# Altium PCB KlusterLab r2.0.PcbDoc (part 21 of 22) (continued)
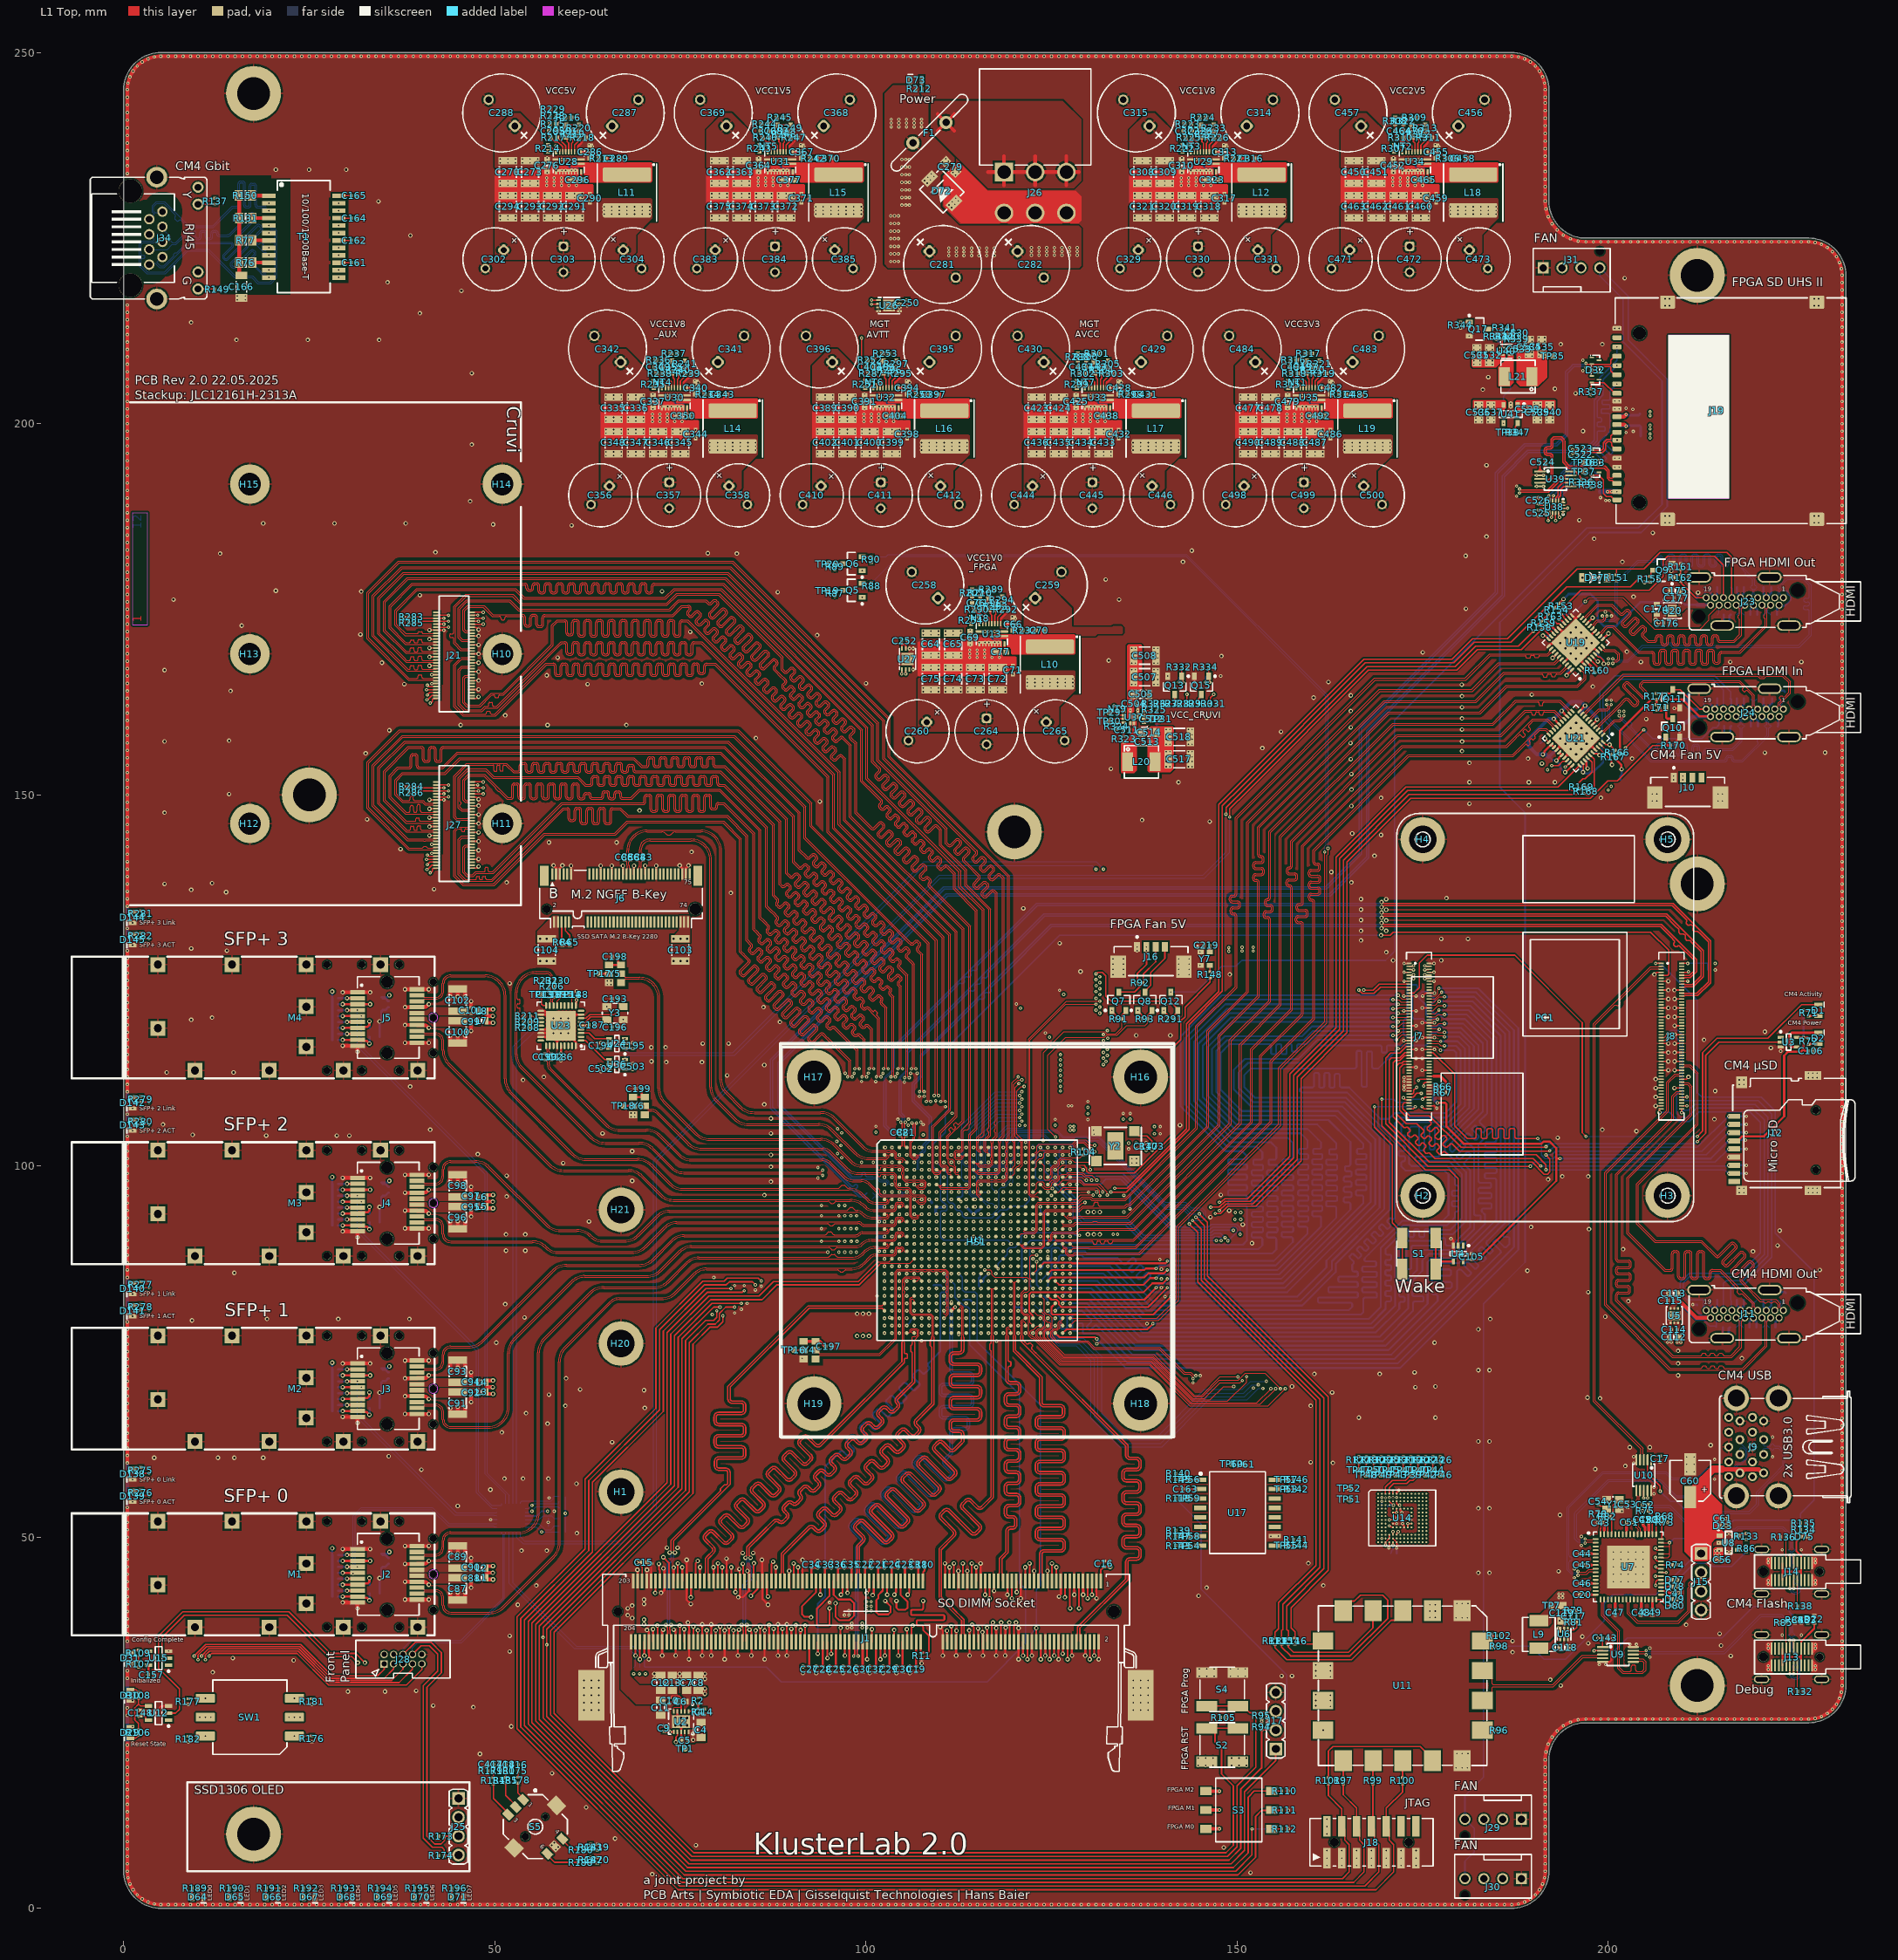
[diagram p0: L1 Top view]
## Keep-outs (continued)
  region: 115.9,43.1 115.9,45.1 116.2,45.1 116.2,43.1
  region: 114.7,43.1 114.7,45.1 115,45.1 115,43.1
  region: 114.1,43.1 114.1,45.1 114.4,45.1 114.4,43.1
  region: 112.9,43.1 112.9,45.1 113.2,45.1 113.2,43.1
  region: 111.7,43.1 111.7,45.1 112,45.1 112,43.1
  region: 111.1,43.1 111.1,45.1 111.4,45.1 111.4,43.1
  region: 107.5,43.1 107.5,45.1 107.8,45.1 107.8,43.1
  region: 105.7,43.1 105.7,45.1 106,45.1 106,43.1
  region: 104.5,43.1 104.5,45.1 104.8,45.1 104.8,43.1
  region: 103.9,43.1 103.9,45.1 104.2,45.1 104.2,43.1
  region: 102.7,43.1 102.7,45.1 103,45.1 103,43.1
  region: 102.1,43.1 102.1,45.1 102.4,45.1 102.4,43.1
  region: 100.9,43.1 100.9,45.1 101.2,45.1 101.2,43.1
  region: 100.3,43.1 100.3,45.1 100.6,45.1 100.6,43.1
  region: 99.1,43.1 99.1,45.1 99.4,45.1 99.4,43.1
  region: 98.5,43.1 98.5,45.1 98.8,45.1 98.8,43.1
  region: 97.3,43.1 97.3,45.1 97.6,45.1 97.6,43.1
  region: 96.7,43.1 96.7,45.1 97,45.1 97,43.1
  region: 96.7,43.1 96.7,45.1 97,45.1 97,43.1
  region: 95.5,43.1 95.5,45.1 95.8,45.1 95.8,43.1
  region: 94.925,43.075 94.925,45.075 95.225,45.075 95.225,43.075
  region: 93.7,43.1 93.7,45.1 94,45.1 94,43.1
  region: 93.1,43.1 93.1,45.1 93.4,45.1 93.4,43.1
  region: 90.7,43.1 90.7,45.1 91,45.1 91,43.1
  region: 90.1,43.1 90.1,45.1 90.4,45.1 90.4,43.1
  region: 88.9,43.1 88.9,45.1 89.2,45.1 89.2,43.1
  region: 88.3,43.1 88.3,45.1 88.6,45.1 88.6,43.1
  region: 87.1,43.1 87.1,45.1 87.4,45.1 87.4,43.1
  region: 86.5,43.1 86.5,45.1 86.8,45.1 86.8,43.1
  region: 85.3,43.1 85.3,45.1 85.6,45.1 85.6,43.1
  region: 84.7,43.1 84.7,45.1 85,45.1 85,43.1
  region: 83.5,43.1 83.5,45.1 83.8,45.1 83.8,43.1
  region: 82.3,43.1 82.3,45.1 82.6,45.1 82.6,43.1
  region: 81.7,43.1 81.7,45.1 82,45.1 82,43.1
  region: 80.493,43.107 80.493,45.107 80.793,45.107 80.793,43.107
  region: 79.9,43.1 79.9,45.1 80.2,45.1 80.2,43.1
  region: 78.7,43.1 78.7,45.1 79,45.1 79,43.1
  region: 78.1,43.1 78.1,45.1 78.4,45.1 78.4,43.1
  region: 76.9,43.1 76.9,45.1 77.2,45.1 77.2,43.1
  region: 76.3,43.1 76.3,45.1 76.6,45.1 76.6,43.1
  region: 75.1,43.1 75.1,45.1 75.4,45.1 75.4,43.1
  region: 74.5,43.1 74.5,45.1 74.8,45.1 74.8,43.1
  region: 73.3,43.1 73.3,45.1 73.6,45.1 73.6,43.1
  region: 72.1,43.1 72.1,45.1 72.4,45.1 72.4,43.1
  region: 71.5,43.1 71.5,45.1 71.8,45.1 71.8,43.1
  region: 69.6,138.5 69.6,140.1 69.9,140.1 69.9,138.5
  region: 69.1,138.5 69.1,140.1 69.4,140.1 69.4,138.5
  region: 68.1,138.5 68.1,140.1 68.4,140.1 68.4,138.5
  region: 67.6,138.5 67.6,140.1 67.9,140.1 67.9,138.5
Keep-Out Layer:
  circle w0.01: c41.7,45 r0.61
  circle w0.01: c41.7,70 r0.61
  circle w0.01: c41.7,95 r0.61
  circle w0.01: c41.7,120 r0.61
  lines w0.1: 1.2,172.9 3.2,172.9 3.2,188 1.2,188 1.2,172.9

## Other copper
L1 Top:
  pour cut-out: 66.6,40.8 cw(c66.6,40) 67.4,40 cw(c66.6,40) 66.6,39.2 cw(c66.6,40) 65.8,40 cw(c66.6,40)
  pour cut-out: 101.7,103.5 128.3,103.5 128.5,103.3 128.5,76.7 128.3,76.5 101.7,76.5 101.5,76.7 101.5,103.3
  region net GND: 112.15,235.05 110.45,233.35 110.45,229.35 112.8,227 128.65,227 129,227.35 129,230.6 128.25,231.35 116.4,231.35 112.7,235.05
  pour cut-out: 136.45,156.6 136.451,156.599 137.949,156.599 137.949,153.251 138.15,153.05 139.85,153.05 139.85,152.25 134.35,152.25 134.35,153.05 134.45,152.95 136.1,152.95 136.45,153.3
  region net VCC5V: 135.343,170.25 135.2,170.107 135.2,160.3 135.3,160.2 135.775,160.2 135.775,160.825 136.15,161.2 136.15,162.512 137.2,163.562 137.2,170.1 137.05,170.25
  region net NetL20_1: 136.45,159.9 136.3,160.05 136.3,160.75 135.9,160.75 135.9,158.45 134.95,157.5 134.591,157.5 134.35,157.259 134.35,153.05 134.45,152.95 136.1,152.95 136.45,153.3
  region net VCC_CRUVI_ADJ: 138.35,159.2 141.3,159.2 141.45,159.05 141.45,153.5 141,153.05 138.15,153.05 137.95,153.25 137.95,158.8
  region net VCC3V3_SD: 187.45,203 187.65,203.2 192.825,203.2 192.9,203.125 192.9,202 192.75,201.85 187.7,201.85 187.45,202.1
  region net VCC3V3: 186.25,203 186.05,203.2 181.825,203.2 181.75,203.125 181.75,202 181.9,201.85 186,201.85 186.25,202.1
  region net NetL21_2: 186.45,209.4 186.45,208.9 185.2,207.65 185.2,205.1 185.25,205.05 186.8,205.05 186.9,205.15 187.25,205.5 187.25,209.35 187.2,209.4
  region net VCCADJ_SD: 187.85,210.055 187.65,209.855 187.65,205.5 188.1,205.05 190.55,205.05 191.75,206.25 191.75,209.9 191.6,210.05 190.35,210.05
  region net VCC5V: 182.049,209.399 181.6,208.95 181.6,207.75 181.75,207.6 184.9,207.6 186.15,208.85 186.15,209.338 186.088,209.4
  region net GND: 222.05,35.808 221.408,35.808 221.25,35.65 221.25,34.95 221.85,34.35 222.05,34.35
  region net GND: 222.05,31.908 221.408,31.908 221.25,32.066 221.25,32.766 221.85,33.366 222.05,33.366
  region net GND: 227.4,35.808 228.042,35.808 228.2,35.65 228.2,34.95 227.6,34.35 227.4,34.35
  region net GND: 227.4,31.908 228.042,31.908 228.2,32.066 228.2,32.766 227.6,33.366 227.4,33.366
  region net GND: 227.4,43.408 228.042,43.408 228.2,43.566 228.2,44.266 227.6,44.866 227.4,44.866
  region net GND: 227.4,47.308 228.042,47.308 228.2,47.15 228.2,46.45 227.6,45.85 227.4,45.85
  region net GND: 222.05,43.408 221.408,43.408 221.25,43.566 221.25,44.266 221.85,44.866 222.05,44.866
  region net GND: 222.05,47.308 221.408,47.308 221.25,47.15 221.25,46.45 221.85,45.85 222.05,45.85
  region net VCC_USB: 215.45,49.8 215.55,49.9 215.55,50.7 215.35,50.9 215.35,54.4 213.7,56.05 213.7,58.2 212.5,58.2 210.25,55.95 210.25,48.05 211.55,46.75 213.4,46.75 213.9,47.25 213.9,49.25 214.45,49.8 215.1,49.8
  region net VCC5V: 214.15,48.4 214.4,48.65 215.4,48.65 215.5,48.55 215.5,47.6 215.25,47.35 215.25,46.65 215.15,46.55 214.45,46.55 214.15,46.85
  pour cut-out: 120.25,168.9 120.25,166.75 128.05,166.75 128.2,166.6 128.2,164.05 127.65,163.5 128.95,163.5 129,163.55 129,171.55 128.95,171.6 128.308,171.601 128.2,171.5 128.2,169.05 128.05,168.9 120.4,168.9
  region net NetC70_2: 124.45,171.6 124.35,171.7 124.35,172.4 124.3,172.45 123.6,172.45 123.55,172.4 123.55,171.7 123.45,171.6 117.25,171.6 117.2,171.55 117.2,171 117.25,170.95 118.85,170.95 118.95,170.85 118.95,170 119.05,169.9 119.3,169.9 119.55,169.65 119.55,169.05 119.7,168.9 128.05,168.9 128.2,169.05 128.2,171.5 128.1,171.6
  region net GND: 118.3,170.7 118.15,170.85 117,170.85 116.65,171.2 113.7,171.2 113.15,170.65 107.1,170.65 107,170.55 107,166.1 107.1,166 118.6,166 119.5,166.9 120.15,166.9 120.25,167 120.25,168.55 120.15,168.65 118.5,168.65 118.3,168.85
  region net NetC316_2: 152.95,235.2 152.85,235.3 152.85,236 152.8,236.05 152.1,236.05 152.05,236 152.05,235.3 151.95,235.2 145.75,235.2 145.7,235.15 145.7,234.6 145.75,234.55 147.35,234.55 147.45,234.45 147.45,233.6 147.55,233.5 147.8,233.5 148.05,233.25 148.05,232.65 148.2,232.5 156.55,232.5 156.7,232.65 156.7,235.1 156.6,235.2
  pour cut-out: 148.75,232.5 148.75,230.35 156.55,230.35 156.7,230.2 156.7,227.65 156.15,227.1 157.45,227.1 157.5,227.15 157.5,235.15 157.45,235.2 156.808,235.201 156.7,235.1 156.7,232.65 156.55,232.5 148.9,232.5
  region net GND: 146.8,234.3 146.65,234.45 145.5,234.45 145.15,234.8 142.2,234.8 141.65,234.25 135.6,234.25 135.5,234.15 135.5,229.7 135.6,229.6 147.1,229.6 148,230.5 148.65,230.5 148.75,230.6 148.75,232.15 148.65,232.25 147,232.25 146.8,232.45
  region net NetC397_2: 110.2,203.4 110.1,203.5 110.1,204.2 110.05,204.25 109.35,204.25 109.3,204.2 109.3,203.5 109.2,203.4 103,203.4 102.95,203.35 102.95,202.8 103,202.75 104.6,202.75 104.7,202.65 104.7,201.8 104.8,201.7 105.05,201.7 105.3,201.45 105.3,200.85 105.45,200.7 113.8,200.7 113.95,200.85 113.95,203.3 113.85,203.4
  pour cut-out: 106,200.7 106,198.55 113.8,198.55 113.95,198.4 113.95,195.85 113.4,195.3 114.7,195.3 114.75,195.35 114.75,203.35 114.7,203.4 114.058,203.401 113.95,203.3 113.95,200.85 113.8,200.7 106.15,200.7
  region net GND: 104.05,202.5 103.9,202.65 102.75,202.65 102.4,203 99.45,203 98.9,202.45 92.85,202.45 92.75,202.35 92.75,197.9 92.85,197.8 104.35,197.8 105.25,198.7 105.9,198.7 106,198.8 106,200.35 105.9,200.45 104.25,200.45 104.05,200.65
  region net NetC370_2: 95.95,235.2 95.85,235.3 95.85,236 95.8,236.05 95.1,236.05 95.05,236 95.05,235.3 94.95,235.2 88.75,235.2 88.7,235.15 88.7,234.6 88.75,234.55 90.35,234.55 90.45,234.45 90.45,233.6 90.55,233.5 90.8,233.5 91.05,233.25 91.05,232.65 91.2,232.5 99.55,232.5 99.7,232.65 99.7,235.1 99.6,235.2
  pour cut-out: 91.75,232.5 91.75,230.35 99.55,230.35 99.7,230.2 99.7,227.65 99.15,227.1 100.45,227.1 100.5,227.15 100.5,235.15 100.45,235.2 99.808,235.201 99.7,235.1 99.7,232.65 99.55,232.5 91.9,232.5
  region net GND: 89.8,234.3 89.65,234.45 88.5,234.45 88.15,234.8 85.2,234.8 84.65,234.25 78.6,234.25 78.5,234.15 78.5,229.7 78.6,229.6 90.1,229.6 91,230.5 91.65,230.5 91.75,230.6 91.75,232.15 91.65,232.25 90,232.25 89.8,232.45
  region net NetC343_2: 81.7,203.4 81.6,203.5 81.6,204.2 81.55,204.25 80.85,204.25 80.8,204.2 80.8,203.5 80.7,203.4 74.5,203.4 74.45,203.35 74.45,202.8 74.5,202.75 76.1,202.75 76.2,202.65 76.2,201.8 76.3,201.7 76.55,201.7 76.8,201.45 76.8,200.85 76.95,200.7 85.3,200.7 85.45,200.85 85.45,203.3 85.35,203.4
  pour cut-out: 77.5,200.7 77.5,198.55 85.3,198.55 85.45,198.4 85.45,195.85 84.9,195.3 86.2,195.3 86.25,195.35 86.25,203.35 86.2,203.4 85.558,203.401 85.45,203.3 85.45,200.85 85.3,200.7 77.65,200.7
  region net GND: 75.55,202.5 75.4,202.65 74.25,202.65 73.9,203 70.95,203 70.4,202.45 64.35,202.45 64.25,202.35 64.25,197.9 64.35,197.8 75.85,197.8 76.75,198.7 77.4,198.7 77.5,198.8 77.5,200.35 77.4,200.45 75.75,200.45 75.55,200.65
  region net NetC289_2: 67.45,235.2 67.35,235.3 67.35,236 67.3,236.05 66.6,236.05 66.55,236 66.55,235.3 66.45,235.2 60.25,235.2 60.2,235.15 60.2,234.6 60.25,234.55 61.85,234.55 61.95,234.45 61.95,233.6 62.05,233.5 62.3,233.5 62.55,233.25 62.55,232.65 62.7,232.5 71.05,232.5 71.2,232.65 71.2,235.1 71.1,235.2
  pour cut-out: 63.25,232.5 63.25,230.35 71.05,230.35 71.2,230.2 71.2,227.65 70.65,227.1 71.95,227.1 72,227.15 72,235.15 71.95,235.2 71.308,235.201 71.2,235.1 71.2,232.65 71.05,232.5 63.4,232.5
  region net GND: 61.3,234.3 61.15,234.45 60,234.45 59.65,234.8 56.7,234.8 56.15,234.25 50.1,234.25 50,234.15 50,229.7 50.1,229.6 61.6,229.6 62.5,230.5 63.15,230.5 63.25,230.6 63.25,232.15 63.15,232.25 61.5,232.25 61.3,232.45
  region net NetC431_2: 138.7,203.4 138.6,203.5 138.6,204.2 138.55,204.25 137.85,204.25 137.8,204.2 137.8,203.5 137.7,203.4 131.5,203.4 131.45,203.35 131.45,202.8 131.5,202.75 133.1,202.75 133.2,202.65 133.2,201.8 133.3,201.7 133.55,201.7 133.8,201.45 133.8,200.85 133.95,200.7 142.3,200.7 142.45,200.85 142.45,203.3 142.35,203.4
  pour cut-out: 134.5,200.7 134.5,198.55 142.3,198.55 142.45,198.4 142.45,195.85 141.9,195.3 143.2,195.3 143.25,195.35 143.25,203.35 143.2,203.4 142.558,203.401 142.45,203.3 142.45,200.85 142.3,200.7 134.65,200.7
  region net GND: 132.55,202.5 132.4,202.65 131.25,202.65 130.9,203 127.95,203 127.4,202.45 121.35,202.45 121.25,202.35 121.25,197.9 121.35,197.8 132.85,197.8 133.75,198.7 134.4,198.7 134.5,198.8 134.5,200.35 134.4,200.45 132.75,200.45 132.55,200.65
  region net NetC458_2: 181.45,235.2 181.35,235.3 181.35,236 181.3,236.05 180.6,236.05 180.55,236 180.55,235.3 180.45,235.2 174.25,235.2 174.2,235.15 174.2,234.6 174.25,234.55 175.85,234.55 175.95,234.45 175.95,233.6 176.05,233.5 176.3,233.5 176.55,233.25 176.55,232.65 176.7,232.5 185.05,232.5 185.2,232.65 185.2,235.1 185.1,235.2
  pour cut-out: 177.25,232.5 177.25,230.35 185.05,230.35 185.2,230.2 185.2,227.65 184.65,227.1 185.95,227.1 186,227.15 186,235.15 185.95,235.2 185.308,235.201 185.2,235.1 185.2,232.65 185.05,232.5 177.4,232.5
  region net GND: 175.3,234.3 175.15,234.45 174,234.45 173.65,234.8 170.7,234.8 170.15,234.25 164.1,234.25 164,234.15 164,229.7 164.1,229.6 175.6,229.6 176.5,230.5 177.15,230.5 177.25,230.6 177.25,232.15 177.15,232.25 175.5,232.25 175.3,232.45
  region net NetC485_2: 167.2,203.4 167.1,203.5 167.1,204.2 167.05,204.25 166.35,204.25 166.3,204.2 166.3,203.5 166.2,203.4 160,203.4 159.95,203.35 159.95,202.8 160,202.75 161.6,202.75 161.7,202.65 161.7,201.8 161.8,201.7 162.05,201.7 162.3,201.45 162.3,200.85 162.45,200.7 170.8,200.7 170.95,200.85 170.95,203.3 170.85,203.4
  pour cut-out: 163,200.7 163,198.55 170.8,198.55 170.95,198.4 170.95,195.85 170.4,195.3 171.7,195.3 171.75,195.35 171.75,203.35 171.7,203.4 171.058,203.401 170.95,203.3 170.95,200.85 170.8,200.7 163.15,200.7
  region net GND: 161.05,202.5 160.9,202.65 159.75,202.65 159.4,203 156.45,203 155.9,202.45 149.85,202.45 149.75,202.35 149.75,197.9 149.85,197.8 161.35,197.8 162.25,198.7 162.9,198.7 163,198.8 163,200.35 162.9,200.45 161.25,200.45 161.05,200.65
  text "1" at 2.8,173.2 h2 r90
L2 Inner1 (GND):
  pour cut-out: 105.18,104.615 105.62,104.615 ccw(c105.62,104.72) 105.725,104.72 105.725,105.095 ccw(c105.63,105.095) 105.63,105.19 105.17,105.19 ccw(c105.17,105.095) 105.075,105.095 105.075,104.72 ccw(c105.18,104.72)
  pour cut-out: 105.18,103.825 105.62,103.825 ccw(c105.62,103.93) 105.725,103.93 105.725,104.305 ccw(c105.63,104.305) 105.63,104.4 105.17,104.4 ccw(c105.17,104.305) 105.075,104.305 105.075,103.93 ccw(c105.18,103.93)
  pour cut-out: 104.38,103.83 104.82,103.83 ccw(c104.82,103.935) 104.925,103.935 104.925,104.31 ccw(c104.83,104.31) 104.83,104.405 104.37,104.405 ccw(c104.37,104.31) 104.275,104.31 104.275,103.935 ccw(c104.38,103.935)
  pour cut-out: 104.38,104.62 104.82,104.62 ccw(c104.82,104.725) 104.925,104.725 104.925,105.1 ccw(c104.83,105.1) 104.83,105.195 104.37,105.195 ccw(c104.37,105.1) 104.275,105.1 104.275,104.725 ccw(c104.38,104.725)
  pour cut-out: 156.253,57.747 cw(c156.651,57.747) 156.651,58.146 156.654,58.146 cw(c156.654,57.747) 157.053,57.747 cw(c156.653,57.747) 156.653,57.348 cw(c156.653,57.747)
  pour cut-out: 156.25,56.475 cw(c156.649,56.475) 156.649,56.874 156.651,56.874 cw(c156.651,56.475) 157.05,56.475 cw(c156.65,56.475) 156.65,56.075 cw(c156.65,56.475)
  pour cut-out: 156.253,48.858 cw(c156.651,48.858) 156.651,49.256 156.654,49.256 cw(c156.654,48.858) 157.053,48.858 cw(c156.653,48.858) 156.653,48.458 cw(c156.653,48.858)
  pour cut-out: 143.047,48.853 cw(c143.446,48.853) 143.446,49.251 143.449,49.251 cw(c143.449,48.853) 143.847,48.853 cw(c143.447,48.853) 143.447,48.453 cw(c143.447,48.853)
  pour cut-out: 143.047,50.122 cw(c143.446,50.122) 143.446,50.521 143.449,50.521 cw(c143.449,50.122) 143.847,50.122 cw(c143.447,50.122) 143.447,49.722 cw(c143.447,50.122)
  pour cut-out: 143.047,55.203 cw(c143.446,55.203) 143.446,55.601 143.449,55.601 cw(c143.449,55.203) 143.847,55.203 cw(c143.447,55.203) 143.447,54.803 cw(c143.447,55.203)
  pour cut-out: 143.047,57.742 cw(c143.446,57.742) 143.446,58.141 143.449,58.141 cw(c143.449,57.742) 143.847,57.742 cw(c143.447,57.742) 143.447,57.342 cw(c143.447,57.742)
  pour cut-out: 177,58.4 cw(c177.399,58.4) 177.399,58.799 177.401,58.799 cw(c177.401,58.4) 177.8,58.4 cw(c177.4,58.4) 177.4,58 cw(c177.4,58.4)
  pour cut-out: 176,59.05 cw(c176.399,59.05) 176.399,59.449 176.401,59.449 cw(c176.401,59.05) 176.8,59.05 cw(c176.4,59.05) 176.4,58.65 cw(c176.4,59.05)
  pour cut-out: 175,58.4 cw(c175.399,58.4) 175.399,58.799 175.401,58.799 cw(c175.401,58.4) 175.8,58.4 cw(c175.4,58.4) 175.4,58 cw(c175.4,58.4)
  pour cut-out: 174,59.05 cw(c174.399,59.05) 174.399,59.449 174.401,59.449 cw(c174.401,59.05) 174.8,59.05 cw(c174.4,59.05) 174.4,58.65 cw(c174.4,59.05)
  pour cut-out: 173,58.4 cw(c173.399,58.4) 173.399,58.799 173.401,58.799 cw(c173.401,58.4) 173.8,58.4 cw(c173.4,58.4) 173.4,58 cw(c173.4,58.4)
  pour cut-out: 172,59.05 cw(c172.399,59.05) 172.399,59.449 172.401,59.449 cw(c172.401,59.05) 172.8,59.05 cw(c172.4,59.05) 172.4,58.65 cw(c172.4,59.05)
  pour cut-out: 171,58.4 cw(c171.399,58.4) 171.399,58.799 171.401,58.799 cw(c171.401,58.4) 171.8,58.4 cw(c171.4,58.4) 171.4,58 cw(c171.4,58.4)
  pour cut-out: 170,59.05 cw(c170.399,59.05) 170.399,59.449 170.401,59.449 cw(c170.401,59.05) 170.8,59.05 cw(c170.4,59.05) 170.4,58.65 cw(c170.4,59.05)
  pour cut-out: 169,58.4 cw(c169.399,58.4) 169.399,58.799 169.401,58.799 cw(c169.401,58.4) 169.8,58.4 cw(c169.4,58.4) 169.4,58 cw(c169.4,58.4)
  pour cut-out: 168,59.05 cw(c168.399,59.05) 168.399,59.449 168.401,59.449 cw(c168.401,59.05) 168.8,59.05 cw(c168.4,59.05) 168.4,58.65 cw(c168.4,59.05)
  pour cut-out: 167,58.4 cw(c167.399,58.4) 167.399,58.799 167.401,58.799 cw(c167.401,58.4) 167.8,58.4 cw(c167.4,58.4) 167.4,58 cw(c167.4,58.4)
  pour cut-out: 166,59.05 cw(c166.399,59.05) 166.399,59.449 166.401,59.449 cw(c166.401,59.05) 166.8,59.05 cw(c166.4,59.05) 166.4,58.65 cw(c166.4,59.05)
  text "2" at 2.8,173.975 h2 r90
L3 Inner2 (Sig):
  region net VCC3V3_SD: 189.65,202.95 189.75,203.05 192.7,203.05 192.875,202.875 192.875,202.175 192.65,201.95 189.75,201.95 189.65,202.05
  region net VCC3V3_SD: 204.65,198.844 205.806,198.844 205.95,198.7 205.95,197.95 205.8,197.8 205.05,197.8 204.65,198.2
  region net VCCADJ_SD: 187.65,209.85 187.855,210.055 191.595,210.055 191.95,209.7 191.825,209.575 191.825,208.925 191.549,208.65 189.35,208.65 189.15,208.45 188.75,208.45 188.6,208.6 187.85,208.6 187.65,208.8
  text "3" at 2.776,174.975 h2 r90
L4 Inner3 (GND):
  text "4" at 2.8,175.975 h2 r90
L5 Inner4 (PWR):
  text "5" at 2.776,176.975 h2 r90
L6 Inner5 (PWR):
  pour cut-out: 86.5,166.5 85.3,166.5 85.3,167.801 86.5,166.601
  text "6" at 2.776,177.975 h2 r90
L7 Inner6 (PWR):
  text "7" at 2.8,178.975 h2 r90
L8 Inner7 (PWR):
  text "8" at 2.776,179.975 h2 r90
L9 Inner8 (GND):
  text "9" at 2.776,180.975 h2 r90
L10 Inner9 (Sig):
  text "10" at 2.776,181.975 h2 r90
L11 Inner10 (GND):
  pour cut-out: 100.385,95.38 100.385,95.82 ccw(c100.28,95.82) 100.28,95.925 99.905,95.925 ccw(c99.905,95.83) 99.81,95.83 99.81,95.37 ccw(c99.905,95.37) 99.905,95.275 100.28,95.275 ccw(c100.28,95.38)
  pour cut-out: 101.175,95.38 101.175,95.82 ccw(c101.07,95.82) 101.07,95.925 100.695,95.925 ccw(c100.695,95.83) 100.6,95.83 100.6,95.37 ccw(c100.695,95.37) 100.695,95.275 101.07,95.275 ccw(c101.07,95.38)
  pour cut-out: 100.385,96.18 100.385,96.62 ccw(c100.28,96.62) 100.28,96.725 99.905,96.725 ccw(c99.905,96.63) 99.81,96.63 99.81,96.17 ccw(c99.905,96.17) 99.905,96.075 100.28,96.075 ccw(c100.28,96.18)
  pour cut-out: 101.175,96.18 101.175,96.62 ccw(c101.07,96.62) 101.07,96.725 100.695,96.725 ccw(c100.695,96.63) 100.6,96.63 100.6,96.17 ccw(c100.695,96.17) 100.695,96.075 101.07,96.075 ccw(c101.07,96.18)
  text "11" at 2.8,184 h2 r90
L12 Bottom:
  pour cut-out: 66.6,40.8 cw(c66.6,40) 67.4,40 cw(c66.6,40) 66.6,39.2 cw(c66.6,40) 65.8,40 cw(c66.6,40)
  region net GND: 118.3,171.1 118.2,171.2 113.7,171.2 113.15,170.65 107.1,170.65 107,170.55 107,166.1 107.1,166 118.6,166 119.5,166.9 120.15,166.9 120.25,167 120.25,168.55 120.15,168.65 118.5,168.65 118.3,168.85
  region net GND: 146.8,234.7 146.7,234.8 142.2,234.8 141.65,234.25 135.6,234.25 135.5,234.15 135.5,229.7 135.6,229.6 147.1,229.6 148,230.5 148.65,230.5 148.75,230.6 148.75,232.15 148.65,232.25 147,232.25 146.8,232.45
  region net GND: 104.05,202.9 103.95,203 99.45,203 98.9,202.45 92.85,202.45 92.75,202.35 92.75,197.9 92.85,197.8 104.35,197.8 105.25,198.7 105.9,198.7 106,198.8 106,200.35 105.9,200.45 104.25,200.45 104.05,200.65
  region net GND: 89.8,234.7 89.7,234.8 85.2,234.8 84.65,234.25 78.6,234.25 78.5,234.15 78.5,229.7 78.6,229.6 90.1,229.6 91,230.5 91.65,230.5 91.75,230.6 91.75,232.15 91.65,232.25 90,232.25 89.8,232.45
  region net GND: 75.55,202.9 75.45,203 70.95,203 70.4,202.45 64.35,202.45 64.25,202.35 64.25,197.9 64.35,197.8 75.85,197.8 76.75,198.7 77.4,198.7 77.5,198.8 77.5,200.35 77.4,200.45 75.75,200.45 75.55,200.65
  region net GND: 61.3,234.7 61.2,234.8 56.7,234.8 56.15,234.25 50.1,234.25 50,234.15 50,229.7 50.1,229.6 61.6,229.6 62.5,230.5 63.15,230.5 63.25,230.6 63.25,232.15 63.15,232.25 61.5,232.25 61.3,232.45
  region net GND: 132.55,202.9 132.45,203 127.95,203 127.4,202.45 121.35,202.45 121.25,202.35 121.25,197.9 121.35,197.8 132.85,197.8 133.75,198.7 134.4,198.7 134.5,198.8 134.5,200.35 134.4,200.45 132.75,200.45 132.55,200.65
  region net GND: 175.3,234.7 175.2,234.8 170.7,234.8 170.15,234.25 164.1,234.25 164,234.15 164,229.7 164.1,229.6 175.6,229.6 176.5,230.5 177.15,230.5 177.25,230.6 177.25,232.15 177.15,232.25 175.5,232.25 175.3,232.45
  region net GND: 161.05,202.9 160.95,203 156.45,203 155.9,202.45 149.85,202.45 149.75,202.35 149.75,197.9 149.85,197.8 161.35,197.8 162.25,198.7 162.9,198.7 163,198.8 163,200.35 162.9,200.45 161.25,200.45 161.05,200.65
  text "12" at 2.8,185.8 h2 r90

## Silkscreen, mask and mechanical layers (free items; w line width, h text height)
Top Overlay:
  lines w0.3: 0.9,135.14 53.5,135.14 ; 0.9,202.86 53.5,202.86 53.5,194.96 ; 53.5,172.1 53.5,188.76 ; 53.5,135.14 53.5,143.04 53.5,135.14 ; 8.595,5 8.595,17 46.595,17 46.595,5 8.595,5 ; 53.5,149.24 53.5,165.9 53.5,149.24
  lines w0.4: 88.5,63.5 141.5,63.5 141.5,116.5 88.5,116.5 88.5,63.5
  text "VCC5V" at 56.85,244.118 h1.5
  text "VCC1V5" at 85.1,244.118 h1.5
  text "VCC1V8" at 142.3,244.118 h1.5
  text "VCC2V5" at 170.6,244.118 h1.5
  text "Power" at 104.5,242.769 h2
  text "CM4 Gbit" at 6.975,233.695 h2
  text "FAN" at 190,224.044 h2
  text "FPGA SD UHS II" at 216.68,218.091 h2
  text "VCC1V8" at 70.9,212.718 h1.5
  text "MGT" at 100.5,212.718 h1.5
  text "MGT" at 128.8,212.718 h1.5
  text "VCC3V3" at 156.4,212.718 h1.5
  text "_AUX" at 71.5,211.365 h1.5
  text "AVCC" at 128.2,211.317 h1.5
  text "AVTT" at 100.1,211.3 h1.5
  text "PCB Rev 2.0 22.05.2025 / Stackup: JLC12161H-2313A" at 1.5,202.9 h2
  text "Cruvi" at 51.043,202.375 h3 r270
  text "VCC1V0" at 113.6,181.218 h1.5
  text "FPGA HDMI Out" at 215.6,180.295 h2
  text "_FPGA" at 113.9,179.965 h1.5
  text "FPGA HDMI In" at 215.3,165.695 h2
  text "VCC_CRUVI" at 141.072,160.067 h1.5
  text "CM4 Fan 5V" at 205.666,154.395 h2
  text "SFP+ 3 Link" at 2.1,132.248 h1
  text "FPGA Fan 5V" at 132.893,131.595 h2
  text "SSD SATA M.2 B-Key 2280" at 61.1,130.348 h1
  text "SFP+ 3 ACT" at 2.1,129.248 h1
  text "SFP+ 3" at 13.49,129.143 h3
  text "CM4 Activity" at 223.7,122.648 h1
  text "CM4 Power" at 224.2,118.748 h1
  text "CM4 µSD" at 215.6,112.595 h2
  text "SFP+ 2 Link" at 2.1,107.248 h1
  text "SFP+ 2 ACT" at 2.1,104.248 h1
  text "SFP+ 2" at 13.5,104.143 h3
  text "CM4 HDMI Out" at 216.6,84.495 h2
  text "Wake" at 171.251,82.355 h3
  text "SFP+ 1 Link" at 2.1,82.248 h1
  text "SFP+ 1 ACT" at 2.1,79.248 h1
  text "SFP+ 1" at 13.651,79.143 h3
  text "CM4 USB" at 214.8,70.795 h2
  text "SFP+ 0 Link" at 2.1,57.248 h1
  text "SFP+ 0 ACT" at 2.1,54.248 h1
  text "SFP+ 0" at 13.498,54.143 h3
  text "CM4 Flash" at 216,40.045 h2
  text "Config Complete" at 1.08,35.642 h1
  text "Front / Panel" at 30.83,30.35 h2 r90
  text "Initialized" at 1,30.16 h1
  text "Debug" at 217.1,28.519 h2
  text "FPGA Prog" at 143.678,26.2 h1.5 r90
  text "Reset State" at 1,21.648 h1
  text "FPGA RST" at 143.678,18.6 h1.5 r90
  text "FAN" at 179.26,15.519 h2
  text "FPGA M2" at 140.6,15.448 h1
  text "SSD1306 OLED" at 9.5,14.995 h2
  text "JTAG" at 172.6,13.325 h1.8
  text "FPGA M1" at 140.701,13.008 h1
  text "FPGA M0" at 140.599,10.468 h1
  text "FAN" at 179.235,7.494 h2
  text "KlusterLab 2.0" at 84.851,6.215 h5
  text "LED0" at 12.143,1 h1 r90
  text "LED1" at 17.143,1 h1 r90
  text "LED2" at 22.143,1 h1 r90
  text "LED3" at 27.143,1 h1 r90
  text "LED4" at 32.143,1 h1 r90
  text "LED5" at 37.14,1 h1 r90
  text "LED6" at 42.143,1 h1 r90
  text "LED7" at 47.14,1 h1 r90
  text "a joint project by  / PCB Arts | Symbiotic EDA | Gisselquist Technologies | Hans Baier" at 70,0.795 h2
Top Solder:
  drawing of 334 lines, arcs and shapes, not listed
Bottom Solder:
  lines w0.45: 0.5,215.974 0.5,5 ccw(c5,5) 5,0.5 187,0.5 ccw(c187,5) 191.5,5 ; 0.5,233.974 0.5,245 ; 0.5,244.98 cw(c5,244.98) 5,249.48 187,249.48 cw(c187,244.98) 191.5,244.98 ; 191.5,20 cw(c197,20) 197,25.5 227,25.5 ccw(c227,30) 231.5,30 231.5,220 ccw(c227,220) 227,224.5 197,224.5 cw(c197,230) 191.5,230 191.5,245 ; 191.5,5 191.5,20
Outline:
  the board outline again, w0.05
Top Courtyard:
  lines w0.05: 28.323,41.823 28.677,42.177 ; 28.323,42.177 28.677,41.823 ; 28.323,42.623 28.677,42.977 ; 28.323,42.977 28.677,42.623 ; 28.323,43.423 28.677,43.777 ; 28.323,43.777 28.677,43.423 ; 28.323,44.223 28.677,44.577 ; 28.323,44.577 28.677,44.223 ; 28.323,45.023 28.677,45.377 ; 28.323,45.377 28.677,45.023 ; 28.323,45.823 28.677,46.177 ; 28.323,46.177 28.677,45.823 ; 28.323,46.623 28.677,46.977 ; 28.323,46.977 28.677,46.623 ; 28.323,47.423 28.677,47.777 ; 28.323,47.777 28.677,47.423 ; 28.323,66.823 28.677,67.177 ; 28.323,67.177 28.677,66.823 ; 28.323,67.623 28.677,67.977 ; 28.323,67.977 28.677,67.623 ; 28.323,68.423 28.677,68.777 ; 28.323,68.777 28.677,68.423 ; 28.323,69.223 28.677,69.577 ; 28.323,69.577 28.677,69.223 ; 28.323,70.023 28.677,70.377 ; 28.323,70.377 28.677,70.023 ; 28.323,70.823 28.677,71.177 ; 28.323,71.177 28.677,70.823 ; 28.323,71.623 28.677,71.977 ; 28.323,71.977 28.677,71.623 ; 28.323,72.423 28.677,72.777 ; 28.323,72.777 28.677,72.423 ; 28.323,91.823 28.677,92.177 ; 28.323,92.177 28.677,91.823 ; 28.323,92.623 28.677,92.977 ; 28.323,92.977 28.677,92.623 ; 28.323,93.423 28.677,93.777 ; 28.323,93.777 28.677,93.423 ; 28.323,94.223 28.677,94.577 ; 28.323,94.577 28.677,94.223 ; 28.323,95.023 28.677,95.377 ; 28.323,95.377 28.677,95.023 ; 28.323,95.823 28.677,96.177 ; 28.323,96.177 28.677,95.823 ; 28.323,96.623 28.677,96.977 ; 28.323,96.977 28.677,96.623 ; 28.323,97.423 28.677,97.777 ; 28.323,97.777 28.677,97.423 ; 28.323,116.823 28.677,117.177 ; 28.323,117.177 28.677,116.823 ; 28.323,117.623 28.677,117.977 ; 28.323,117.977 28.677,117.623 ; 28.323,118.423 28.677,118.777 ; 28.323,118.777 28.677,118.423 ; 28.323,119.223 28.677,119.577 ; 28.323,119.577 28.677,119.223 ; 28.323,120.023 28.677,120.377 ; 28.323,120.377 28.677,120.023 ; 28.323,120.823 28.677,121.177 ; 28.323,121.177 28.677,120.823 ; 28.323,121.623 28.677,121.977 ; 28.323,121.977 28.677,121.623 ; 28.323,122.423 28.677,122.777 ; 28.323,122.777 28.677,122.423 ; 33.323,46.623 33.677,46.977 ; 33.323,46.977 33.677,46.623 ; 33.323,71.623 33.677,71.977 ; 33.323,71.977 33.677,71.623 ; 33.323,96.623 33.677,96.977 ; 33.323,96.977 33.677,96.623 ; 33.323,121.623 33.677,121.977 ; 33.323,121.977 33.677,121.623 ; 33.623,42.223 33.977,42.577 ; 33.623,42.577 33.977,42.223 ; 33.623,43.423 33.977,43.777 ; 33.623,43.777 33.977,43.423 ; 33.623,67.223 33.977,67.577 ; 33.623,67.577 33.977,67.223 ; 33.623,68.423 33.977,68.777 ; 33.623,68.777 33.977,68.423 ; 33.623,92.223 33.977,92.577 ; 33.623,92.577 33.977,92.223 ; 33.623,93.423 33.977,93.777 ; 33.623,93.777 33.977,93.423 ; 33.623,117.223 33.977,117.577 ; 33.623,117.577 33.977,117.223 ; 33.623,118.423 33.977,118.777 ; 33.623,118.777 33.977,118.423 ; 35.323,39.823 35.677,40.177 ; 35.323,40.177 35.677,39.823 ; 35.323,119.823 35.677,120.177 ; 35.323,120.177 35.677,119.823 ; 35.523,46.623 35.877,46.977 ; 35.523,46.977 35.877,46.623 ; 35.523,71.623 35.877,71.977 ; 35.523,71.977 35.877,71.623 ; 35.523,96.623 35.877,96.977 ; 35.523,96.977 35.877,96.623 ; 35.523,121.623 35.877,121.977 ; 35.523,121.977 35.877,121.623 ; 208.323,79.823 208.677,80.177 ; 208.323,80.177 208.677,79.823 ; 209.723,81.723 210.077,82.077 ; 209.723,82.077 210.077,81.723 ; 211.523,81.723 211.877,82.077 ; 211.523,82.077 211.877,81.723 ; 211.973,78.023 212.327,78.377 ; 211.973,78.377 212.327,78.023 ; 213.323,81.723 213.677,82.077 ; 213.323,82.077 213.677,81.723 ; 213.773,78.023 214.127,78.377 ; 213.773,78.377 214.127,78.023 ; 214.823,79.823 215.177,80.177 ; 214.823,80.177 215.177,79.823 ; 215.123,81.723 215.477,82.077 ; 215.123,82.077 215.477,81.723 ; 215.573,78.023 215.927,78.377 ; 215.573,78.377 215.927,78.023 ; 216.898,81.723 217.252,82.077 ; 216.898,82.077 217.252,81.723 ; 217.373,78.023 217.727,78.377 ; 217.373,78.377 217.727,78.023 ; 218.723,81.723 219.077,82.077 ; 218.723,82.077 219.077,81.723 ; 219.173,78.023 219.527,78.377 ; 219.173,78.377 219.527,78.023 ; 221.123,79.423 221.477,79.777 ; 221.123,79.777 221.477,79.423 ; 35.323,44.823 35.677,45.177 35.323,44.823 ; 35.323,45.177 35.677,44.823 35.323,45.177 ; 35.323,69.823 35.677,70.177 35.323,69.823 ; 35.323,70.177 35.677,69.823 35.323,70.177 ; 35.323,94.823 35.677,95.177 35.323,94.823 ; 35.323,95.177 35.677,94.823 35.323,95.177
Bottom Courtyard:
  lines w0.05: 1.023,55.323 1.377,55.677 ; 1.023,55.677 1.377,55.323 ; 1.023,58.323 1.377,58.677 ; 1.023,58.677 1.377,58.323 ; 1.023,83.323 1.377,83.677 ; 1.023,83.677 1.377,83.323 ; 1.023,108.323 1.377,108.677 ; 1.023,108.677 1.377,108.323 ; 1.023,130.323 1.377,130.677 ; 1.023,130.677 1.377,130.323